# Altium PCB WunderBar_v102b _flip.PcbDoc (part 6 of 7) (continued)
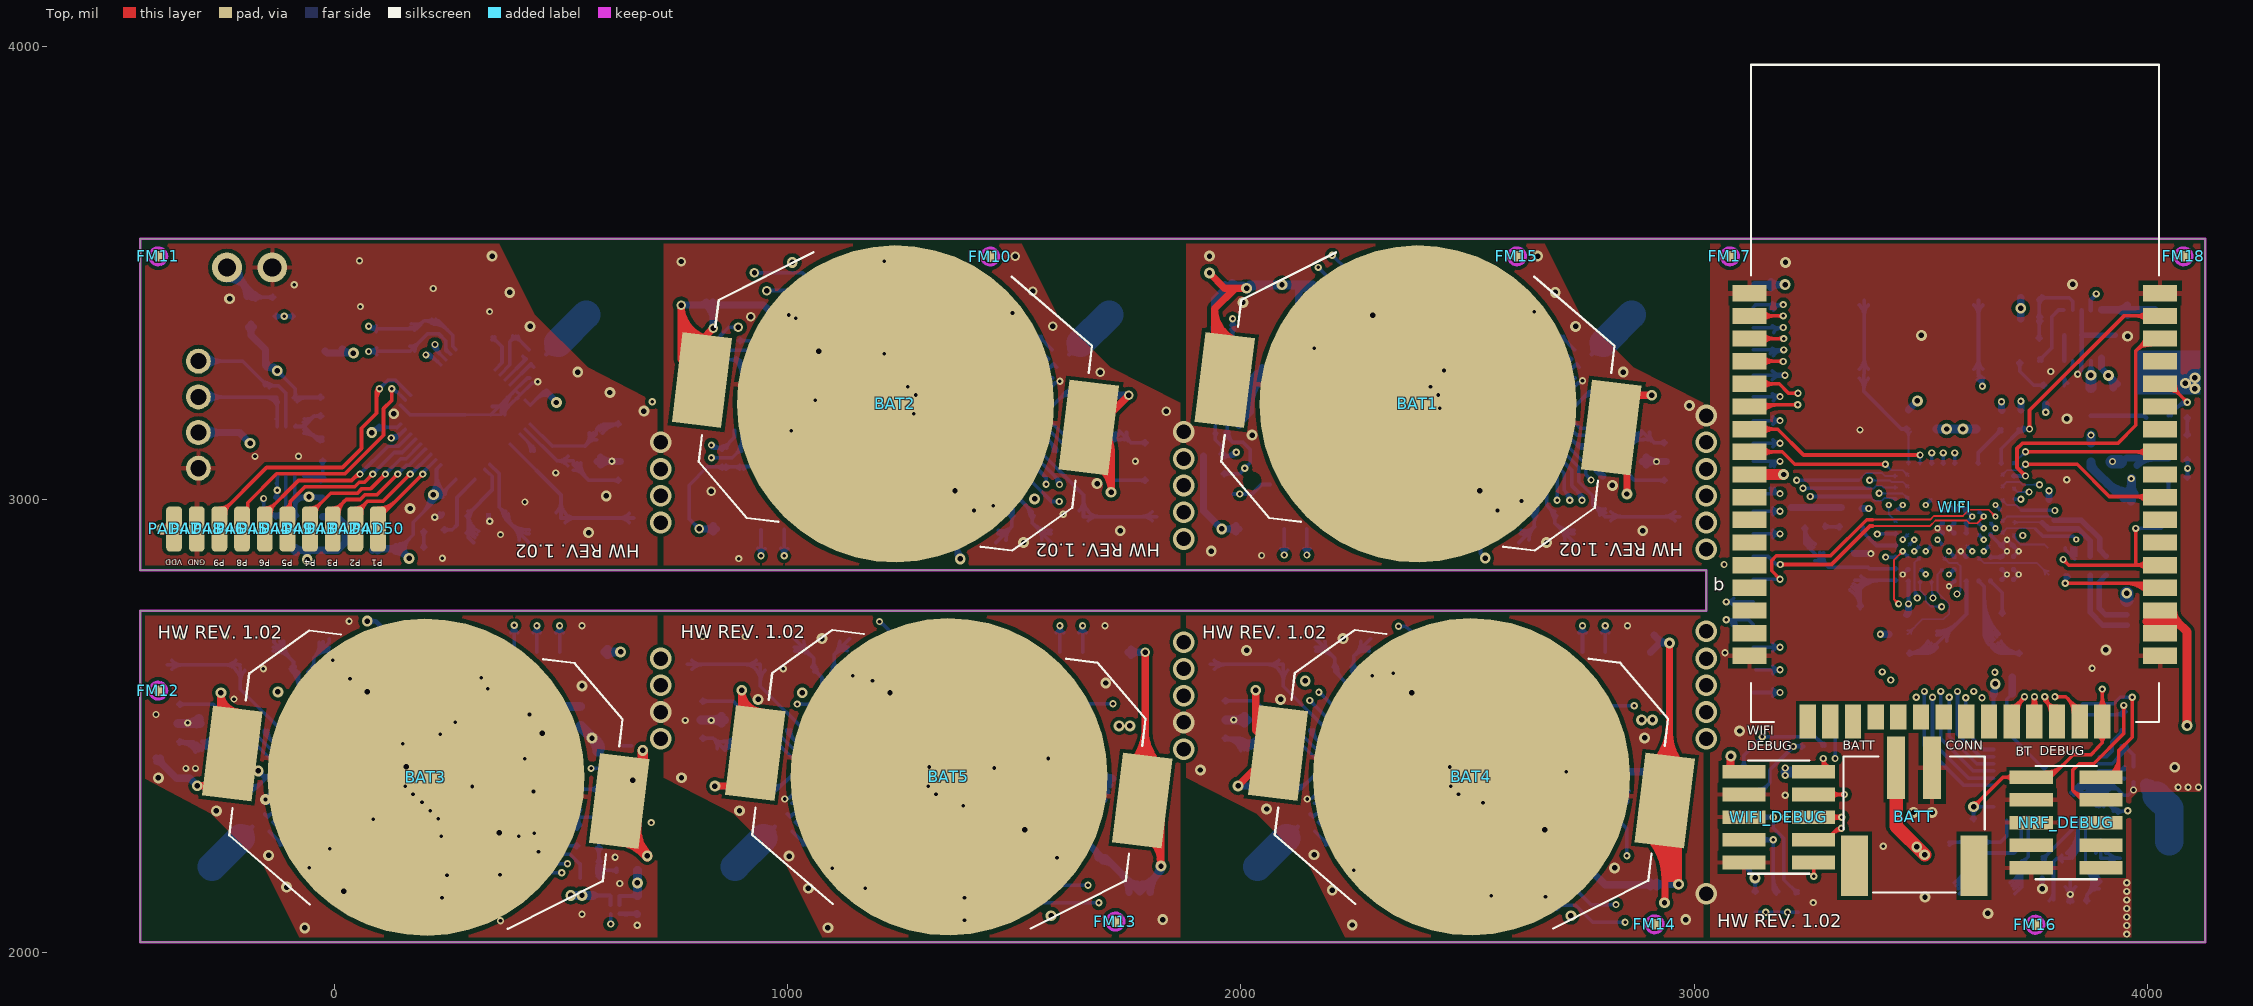
[diagram p0: Top view]
## Nets (pads, with @x,y where several pads share a name; then routed paths per layer and width w, separated by ;. In a path a pad name is that pad's centre, name@x,y a point inside that pad or via, vN(x,y) a via of type N, cw(c..) or ccw(c..) an arc to the next point about the centre after c; other vN are vias at no path point) (continued)
  Bottom w9: C111.1@570,2126.67 U5.2A@608.17,2126.67 ; C111.1@573.89,2122.78 cw(c583.28,2113.39) 583.28,2126.67 cw(c583.28,2139.95) C111.1@573.89,2130.56 ; U5.2B@609.16,2106 U5.2A@609.16,2125.68
  Bottom w10: R45.2@-90.02,2965.02 ccw(c-98.55,2973.55) -86.48,2973.55 ccw(c-74.41,2973.55) R45.2@-82.94,2965.02 ; R44.2@-90.02,2996.94 cw(c-98.55,2988.41) -86.48,2988.41 cw(c-74.41,2988.41) -82.94,2996.94 cw(c-59.92,2973.92) v2@-59.92,3006.48 ; R45.2@-86.48,2961.48 R44.2@-86.48,3000.48 ; R44.2@-81.48,3006.48 C89.1@-26.48,3006.48 ; -74.71,3002.52 cw(c-69.81,2984.22) v2@-60.08,3000.47 ; -70.96,3003.52 ccw(c-74.54,3016.91) v2@-62.54,3009.98 ; v2@-61.43,3001.53 ccw(c-73.38,2989.58) -73.38,3006.48 ccw(c-73.38,3023.38) v2@-61.43,3011.43 ; v2@-51.85,3001.23 cw(c-42.64,2990.79) -39.04,3004.24 ; v2@-51.53,3001.53 cw(c-39.58,2989.58) -39.58,3006.48 cw(c-39.58,3023.38) v2@-51.53,3011.43 ; v2@-47.41,3006.48 cw(c-47.41,2981.88) C89.1@-30.02,2999.28 ; C73.1@49.33,2576.2 114,2640.87 114,2709 91,2732 v2(72,2732) ; C73.1@49.33,2581.2 ccw(c49.33,2593.27) 57.87,2584.74 ccw(c66.4,2576.2) C73.1@54.33,2576.2 ; 69,2575.91 cw(c117.18,2575.91) 83.11,2609.98 ; v2@76.95,2727.05 cw(c88.9,2715.1) 88.9,2732 cw(c88.9,2748.9) v2@76.95,2736.95 ; 79,2575.91 cw(c151.32,2575.91) 100.18,2627.05 ; BT.36@3893,2323.48 BT.35@3893,2335
  Bottom w12: C7.1@3657.55,2574.31 ccw(c3641.06,2590.79) v2@3664.38,2590.79 ; v2@3659.64,2589.9 cw(c3651.01,2583.18) C7.1@3661.58,2580.35 ; v2@3660.14,2589.35 cw(c3649.89,2579.11) 3664.38,2579.11 cw(c3678.86,2579.11) v2@3668.62,2589.35 ; C7.1@3661.78,2581.1 cw(c3673.39,2577.99) v2@3667.38,2588.39 ; C7.1@3664.38,2571.48 v2(3664.38,2593.59)
  Bottom w16: C79.1@-393.68,2429.82 -348.95,2385.09 -319.33,2385.09 v2@-303.23,2369 ; C79.1@-392.18,2422.32 cw(c-392.18,2407.84) C79.1@-381.93,2418.08 ; C79.1@-384.68,2429.82 ccw(c-362.95,2429.82) C79.1@-378.31,2414.46 ; v2(-303.1,2368.86) v2@-303.23,2369 ; -203.36,2369 cw(c-203.36,2340.6) C71.1@-183.28,2360.68 ; C71.1@-181.1,2362.86 -187.23,2369 v2@-303.23,2369 ; DEBUG3.1@-20.48,3327.48 -16.48,3323.48 v2(41.52,3323.48) ; DEBUG3.1@17.2,3332.43 ccw(c38.8,3354.04) v2@38.8,3323.48 ; VREG2.5@83.52,2888.48 86.52,2891.48 142.52,2891.48 v2@164.02,2869.98 ; VREG2.5@94.93,2886.67 cw(c106.56,2875.04) 106.56,2891.48 ; 121.71,2891.48 cw(c121.71,2871.67) C87.1@135.72,2885.68 ; 124.12,2891.48 ccw(c124.12,2907.88) C87.1@135.72,2896.28 ; C87.1@144.02,2883.48 cw(c144.02,2867.79) C87.1@155.12,2878.88 ; C87.1@151.52,2890.98 ccw(c172.04,2890.98) C87.1@157.53,2876.47 ; C87.1@152.06,2880.65 cw(c142.83,2864.67) v2@160.66,2869.44 ; C87.1@153.35,2883.71 ccw(c170.76,2893.76) v2@165.55,2874.34 ; C87.1@153.83,2879.63 cw(c146.91,2867.64) v2@160.57,2869.84 ; C72.1@188.36,2437.71 263,2363.07 263,2272 263.5,2271.5 DEBUG6.1@301.28,2271.49 ; v2(218.12,3010.78) 225,3010.78 233.82,3010.78 C64.1@236.45,3013.41 ; 263,2302.35 ccw(c299.64,2302.35) DEBUG6.1@273.73,2276.44 ; DEBUG6.1@307.77,2265 v7(363,2265) cw(c363,2296.38) DEBUG6.1@339.11,2276.03 ; C62.1@467.52,3237.48 489.52,3215.48 v2(489.52,3214.48) ; v6(764.52,3429.48) 826.52,3429.48 827.52,3430.48 828.52,3429.48 946.52,3429.48 961.52,3415.48 1048.52,3327.48 ; 804.29,3429.48 ccw(c804.29,3452.71) C37.1@820.72,3436.28 ; v6(804.52,2935.48) PAD17.1@842.52,2935.48 ; C37.1@823.72,3425.68 cw(c795.22,3397.18) 835.52,3397.18 ; C37.1@827.52,3429.48 835.52,3421.48 v6(835.52,3378.48) ; C37.1@834.32,3436.28 ccw(c850.75,3452.71) 850.75,3429.48 ; PAD17.1@835.8,2928.76 ccw(c819.58,2912.55) 819.58,2935.48 ccw(c819.58,2958.42) PAD17.1@835.8,2942.2 ; v2(839.14,2368.1) 965.14,2368.1 C51.1@971.14,2362.1 ; 951.82,2368.1 cw(c951.82,2342.78) C51.1@969.72,2360.68 ; C38.1@1019.52,3250.48 1019.52,3298.48 1048.52,3327.48 ; 1027.85,3348.39 ccw(c1068.35,3388.43) 1068.02,3331.48 ; 1027.92,3306.88 cw(c1068,3266.79) 1068,3323.48 ; DEBUG2.1@1099.3,3322.53 ccw(c1087.35,3310.58) 1087.35,3327.48 ccw(c1087.35,3344.38) DEBUG2.1@1099.3,3332.43 ; DEBUG2.1@1131.8,3322.53 cw(c1120.4,3311.13) 1136.52,3311.13 ; DEBUG2.1@1134.52,3325.48 DEBUG2.1@1136.52,3327.48 ; DEBUG2.1@1135.52,3329.48 DEBUG2.1@1136.52,3327.48 ; 1136.52,3310.03 cw(c1154.2,3310.03) DEBUG2.1@1141.7,3322.53 ; C53.1@1203.14,2575.76 1204.88,2574.02 1217,2574.02 v7(1225.52,2574.02) R58.1@1269.95,2574.02 ; C30.1@1241.52,3166.48 1136.52,3271.48 DEBUG2.1@1136.52,3327.48 ; R55.1@1318.25,3019.77 1390.61,3019.77 C31.1@1392.19,3018.19 ; C52.1@1351.52,2430.48 1455.52,2326.48 DEBUG5.1@1455.52,2271.48 ; DEBUG5.1@1450.34,2276.43 ccw(c1437.84,2288.93) 1455.52,2288.93 ; 1455.52,2287.83 ccw(c1471.64,2287.83) DEBUG5.1@1460.24,2276.43 ; DEBUG5.1@1457.52,2270.48 DEBUG5.1@1455.52,2271.48 ; DEBUG5.1@1492.74,2266.53 cw(c1504.69,2254.58) 1504.69,2271.48 cw(c1504.69,2288.38) DEBUG5.1@1492.74,2276.43 ; 1539.71,2271.48 cw(c1539.71,2251.67) C59.1@1553.72,2265.68 ; 1542.12,2271.48 ccw(c1542.12,2287.88) C59.1@1553.72,2276.28 ; C59.1@1567.32,2265.68 cw(c1581.33,2251.67) 1581.33,2271.48 ; C59.1@1567.32,2276.28 ccw(c1578.92,2287.88) 1578.92,2271.48 ; 1606.71,2271.48 cw(c1606.71,2251.67) C60.1@1620.72,2265.68 ; 1609.12,2271.48 ccw(c1609.12,2287.88) C60.1@1620.72,2276.28 ; C29.1@1622.32,3238.28 ccw(c1641.15,3257.11) 1641.15,3230.48 ; C29.1@1627.52,3230.48 v6(1752.52,3230.48) ; C60.1@1629.02,2263.48 cw(c1629.02,2235.72) 1648.65,2255.35 ; 1677.8,2226.2 cw(c1661.58,2209.98) C61.1@1684.52,2209.98 ; C61.1@1695.02,2202.48 cw(c1695.02,2169.89) 1718.07,2192.93 ; 1735.7,2175.3 cw(c1693.87,2133.48) R27.2@1753.02,2133.48 ; PAD37.1@1750.52,2663.48 v8(1788.52,2663.48) ; 1751.39,2159.61 ccw(c1771.02,2179.24) R27.2@1771.02,2151.48 ; PAD37.1@1757.24,2656.76 cw(c1773.45,2640.55) 1773.45,2663.48 cw(c1773.45,2686.42) PAD37.1@1757.24,2670.2 ; R27.2@1782.02,2151.48 ccw(c1782.02,2179.24) 1801.65,2159.61 ; R27.2@1800.02,2133.48 cw(c1859.17,2133.48) 1817.34,2175.3 ; 1809.62,2167.58 ccw(c1785.72,2191.48) v2@1819.52,2191.48 ; v2(1823.52,2191.48) 1823.52,2181.48 1776.52,2134.48 1700.52,2210.48 1693.52,2210.48 1632.52,2271.48 DEBUG5.1@1455.52,2271.48 ; R9.2@1917.52,3096.48 R10.2@1917.52,3057.48 1917.52,2975.48 v2(1957.52,2935.48) PAD2.1@1995.52,2935.48 ; R12.2@1940.52,3380.48 1941.52,3381.48 1941.52,3442.48 1973.52,3473.48 2005.52,3473.48 v2(2012.52,3466.48) ; 1957.56,3458.02 ccw(c1941.63,3474.46) C25.1@1964.52,3474.1 ; C25.1@1980.32,3468.68 cw(c1991.92,3457.08) 1991.92,3473.48 ; C25.1@1980.32,3479.28 ccw(c1994.33,3493.29) 1994.33,3473.48 ; C25.1@1985.96,3473.48 cw(c1985.96,3439.92) v2@2009.69,3463.65 ; PAD2.1@1988.8,2928.76 ccw(c1972.58,2912.55) 1972.58,2935.48 ccw(c1972.58,2958.42) PAD2.1@1988.8,2942.2 ; v2(1993.52,2368.48) C41.1@2118.52,2368.48 ; v2@2009.52,3469.48 v2(2012.52,3466.48) ; v2@2015.52,3469.48 v2(2012.52,3466.48) ; v2@2019.52,3473.48 v2(2012.52,3466.48) ; LED6.A@2097.52,3386.48 2127.52,3416.48 2127.52,3470.48 C28.1@2130.52,3473.48 ; 2104.89,2368.48 cw(c2104.89,2341.85) C41.1@2123.72,2360.68 ; 2127.52,3452.25 cw(c2150.75,3452.25) C28.1@2134.32,3468.68 ; IC3.1@2325.52,3106.48 2325.52,3216.48 2327.52,3218.48 2327.52,3294.48 DEBUG1.1@2290.52,3331.48 ; C43.1@2357.31,2573.96 2367,2573.96 R57.1@2422.72,2573.96 ; R54.1@2499.46,3004.18 2515.23,3019.95 v7(2527,3019.95) 2546.95,3019.95 C19.1@2549.19,3017.71 ; R54.1@2500.09,3004.8 cw(c2527,2977.89) 2527,3015.95 ; C42.1@2504.52,2430.48 2609.52,2326.48 DEBUG4.1@2609.52,2271.48 ; 2529.76,3017.05 cw(c2537.21,3009.21) C19.1@2540.02,3019.66 ; 2538.95,3019.95 cw(c2538.95,3007.47) C19.1@2547.77,3016.29 ; DEBUG4.1@2604.34,2276.43 ccw(c2591.84,2288.93) 2609.52,2288.93 ; 2609.52,2287.83 ccw(c2625.64,2287.83) DEBUG4.1@2614.24,2276.43 ; DEBUG4.1@2610.52,2270.48 DEBUG4.1@2609.52,2271.48 ; DEBUG4.1@2646.74,2266.53 cw(c2658.69,2254.58) 2658.69,2271.48 cw(c2658.69,2288.38) DEBUG4.1@2646.74,2276.43 ; DEBUG4.1@2654.39,2270.33 cw(c2659.03,2253) 2668,2268.54 ; DEBUG4.1@2655.98,2272.21 ccw(c2659.13,2283.95) 2667.31,2274.96 ; R23.2@2772.34,2262.47 cw(c2769.56,2293.52) 2747.52,2271.48 ; C1.1@2776.32,3238.28 ccw(c2795.15,3257.11) 2795.15,3230.48 ; C1.1@2780.52,3230.48 v2(2906.52,3230.48) ; SENSE1.5@2853.52,2399.48 2925.52,2399.48 2926.52,2398.48 2926.52,2372.48 2965.52,2333.48 v2(2965.52,2151.48) 2911.52,2151.48 2910.52,2150.48 2803.52,2150.48 2772.52,2181.48 2772.52,2261.48 2757.52,2261.48 2747.52,2271.48 ; 2889.71,2150.48 ccw(c2889.71,2170.29) C49.1@2903.72,2156.28 ; 2892.12,2150.48 cw(c2892.12,2134.08) C49.1@2903.72,2145.68 ; PAD27.1@2903.52,2663.48 2923.52,2683.48 v2(2945.52,2683.48) cw(c2945.52,2725.07) PAD27.1@2911.33,2701.39 ; C49.1@2917.32,2145.68 cw(c2931.33,2131.67) 2931.33,2151.48 ; C49.1@2917.32,2156.28 ccw(c2928.92,2167.88) 2928.92,2151.48 ; VD33.1@3133.52,3474.48 v2(3200.52,3474.48) ; VD33.1@3169.74,3467.76 cw(c3185.95,3451.55) 3185.95,3474.48 cw(c3185.95,3497.42) VD33.1@3169.74,3481.2 ; C107.1@3370.52,2980.52 v1(3385,2980.52) ; v1(3411,2703.32) R40.2@3429.24,2703.32 ; C3.1@3469.49,2746.89 ccw(c3460.9,2755.49) 3473.05,2755.49 ; R16.2@3472.86,3198.16 v2(3492.51,3217.81) ; C3.1@3473.05,2753.48 v1@3473.05,2770 ; R2.2@3720.52,3398.48 C11.1@3720.52,3445.48 ; R11.2@3721,3197.78 v1(3721,3217) ; C108.1@3782.7,3000.52 v1@3782.7,3019.52 ; 1048.52,3327.48 DEBUG2.1@1136.52,3327.48 ; DEBUG1.1@2290.52,3331.48 cw(c2237.37,3278.33) L2.2@2312.52,3276.8 ; DEBUG1.1@2290.52,3331.48 cw(c2237.37,3278.33) L2.2@2312.52,3276.8 ; DEBUG1.1@2290.52,3331.48 cw(c2237.37,3278.33) L2.2@2312.52,3276.8 ; 2317.07,3304.93 cw(c2289.42,3277.27) L2.2@2328.52,3276.48 ; 2317.07,3304.93 cw(c2289.42,3277.27) L2.2@2328.52,3276.48 ; 2317.07,3304.93 cw(c2289.42,3277.27) L2.2@2328.52,3276.48 ; L2.2@2317.21,3257.17 cw(c2292.31,3232.27) IC3.5@2327.52,3232.27 ; L2.2@2317.21,3257.17 cw(c2292.31,3232.27) IC3.5@2327.52,3232.27 ; L2.2@2317.21,3257.17 cw(c2292.31,3232.27) IC3.5@2327.52,3232.27 ; IC3.5@2327.52,3227.44 cw(c2369.56,3227.44) L2.2@2339.83,3257.17 ; IC3.5@2327.52,3227.44 cw(c2369.56,3227.44) L2.2@2339.83,3257.17 ; IC3.5@2327.52,3227.44 cw(c2369.56,3227.44) L2.2@2339.83,3257.17 ; L2.2@2328.52,3276.48 cw(c2352.36,3319.05) 2304.99,3307.38 ccw(c2352.36,3319.05) L2.2@2328.52,3276.48 ; DEBUG4.1@2609.52,2271.48 2747.52,2271.48
  Bottom w20: C73.1@49.62,2575.91 v7(72,2575.91) ; v2(521,2127) v2(546,2127) C111.1@570,2127 ; PAD52.1@596.5,2663.48 630.62,2663.48 v2(631.14,2664) ; PAD52.1@601.81,2658.18 cw(c614.61,2645.37) 614.61,2663.48 cw(c614.61,2681.59) PAD52.1@601.81,2668.78 ; v2@2013.93,3465.07 cw(c2034.25,3444.75) 2034.25,3473.48 ; v2@2019.52,3473.48 2130.52,3473.48 2157.52,3473.48 2217.52,3413.48 2217.52,3338.48 2225.52,3331.48 DEBUG1.1@2318.52,3331.48 ; C28.1@2132.02,3468.48 cw(c2132.02,3394.85) 2184.09,3446.91 ; C4.1@3536.24,3155.62 C109.1@3578.89,3155.62 ; C109.1@3579.54,3155.62 C110.1@3621.62,3155.62
  Bottom w24: 3203,2399.48 LPC_DEBUG.1@3263.29,2399.48
  other v1: 3956.52,2313.48 3201,2391.52 3201,2408 3473,2770 3783,3019.52
  other v2: -125,2576 164.52,2870.48 -56.48,3006.48 3557,3156 3593,3156 4105,3245 4084,3257 4105,3269 3720.52,3422.48 2090.54,3474.34
  other v4: 719.52,2472.48 719.52,3067.48 1873.52,3090.48 3026.52,3126.48
VD33_BUFFERED: C26.1 R6.2 SENSE3.1 | length 151.5
  Bottom w8: SENSE3.1@1940.69,3243.8 ccw(c1933.86,3250.63) 1943.52,3250.63 ccw(c1953.18,3250.63) SENSE3.1@1946.35,3243.8 ; SENSE3.1@1943.52,3226.48 1943.52,3278.48 R6.2@1959.52,3294.48 ; R6.2@1953.52,3294.48 cw(c1939.03,3294.48) 1949.28,3284.24 cw(c1959.52,3273.99) R6.2@1959.52,3288.48
  Bottom w16: C26.1@1920.52,3294.48 R6.2@1959.52,3294.48
VDOUT: C80.2 C85.2 C113.2 R60.1 R63.1 R68.1 U2.1 U3.7 U4.6 U5.1A U5.1B | length 1304.8
  Route2 w16: v5(440.74,2263.99) 462.75,2286 658,2286
  Route2 w24: 486.12,2473 cw(c486.12,2511.91) v7(458.6,2484.4) 470,2473 v7@566,2473 ; v7@566.5,2472.5 v7(658,2381) 658,2286 658,2164.5 v2(668,2154.5) cw(c692.14,2178.64) 658,2178.64
  Bottom w8: U2.1@538.7,2495.08 U2.1@543.23,2499.61 ; C80.2@666.68,2125.68 C80.2@668,2127
  Bottom w9: U5.1B@628.84,2106 U5.1A@628.84,2125.68 C80.2@666.68,2125.68 ; 651.55,2125.69 ccw(c651.55,2143.45) C80.2@664.11,2130.89 ; 657.9,2125.68 cw(c657.9,2116.9) C80.2@664.11,2123.11
  Bottom w16: U3.7@385.4,2538.32 385.4,2513.6 396.97,2502.03 C85.2@458.6,2502.03 ; U3.7@385.65,2526.57 ccw(c417.59,2526.57) 395.01,2503.99 ; 406.37,2502.03 cw(c406.37,2432.16) 455.78,2481.57
  Bottom w20: v7(458.6,2484.4) C85.2@458.6,2502.03 ; C113.2@636.04,2414.96 658,2393 v7(658,2381) ; C80.2@668,2127 v2(668,2154.5) R63.1@668,2182
  Bottom w24: U2.1@543.23,2499.61 580.7,2462.14 ; 573.88,2468.96 cw(c552.59,2447.67) R60.1@582.7,2447.67 ; R60.1@580.7,2444.77 ccw(c540.71,2444.77) v7(568,2474) cw(c562.47,2456.63) R60.1@580.7,2456.63 ; R60.1@580.7,2447.67 580.7,2462.14 ; R60.1@582.38,2446.59 ccw(c571.88,2453.32) 580.7,2462.14
VEXT: C86.1 D2.K P1.2 R46.2 R47.2 R48.2 VREG2.1 VREG2.3 | length 1508.3
  Route15 w15.98: -160.92,2867.77 v2(-60.33,2867.77)
  Route15 w16: -160.92,2867.77 -217.44,2924.29 -217.44,3094.04 -163,3148.48 -163.66,3246.8 v2(-126.48,3284.48)
  Bottom w8: v2@-126.48,3276.48 cw(c-126.48,3257.17) -112.82,3270.82 cw(c-99.17,3284.48) v2@-118.48,3284.48 ; v2(-126.48,3284.48) -86.48,3244.48 R47.2@-86.48,3220.48 -81.48,3225.48 R48.2@-26.48,3225.48 ; R47.2@-90.72,3224.72 ccw(c-100.97,3234.97) -86.48,3234.97 ccw(c-71.99,3234.97) R47.2@-82.24,3224.72 ; R47.2@-82.24,3216.24 cw(c-59.92,3193.92) -59.92,3225.48 ; -43.38,3225.48 ccw(c-43.38,3243.38) R48.2@-30.72,3230.72 ; -38.55,3225.48 cw(c-38.55,3214.41) R48.2@-30.72,3222.24
  Bottom w10: -60.33,2887.31 -59.48,2888.16
  Bottom w15.98: v2(-60.33,2867.77) -60.33,2887.31
  Bottom w16: P1.2@-300.58,3148.48 -210.52,3148.48 v2(-186.52,3124.48) ; P1.2@-286.75,3134.28 cw(c-252.47,3100) -252.47,3148.48 ; P1.2@-286.75,3161.94 ccw(c-254.25,3194.44) -254.25,3148.48 ; D2.K@-189.78,3381.18 cw(c-202.59,3368.37) -184.48,3368.37 cw(c-166.37,3368.37) D2.K@-179.18,3381.18 ; D2.K@-184.48,3387.48 -184.48,3362.48 -152.48,3331.48 -152.48,3296.48 R46.2@-148.48,3292.48 ; -152.48,3307.97 ccw(c-133.99,3307.97) R46.2@-147.07,3294.89 ; R46.2@-148.16,3291.51 cw(c-144.2,3266.76) v2(-126.48,3284.48) -134.48,3292.48 R46.2@-148.48,3292.48 ; v2@-129.84,3282.31 ccw(c-148.48,3270.32) R46.2@-148.48,3292.48 ; C86.1@-90.48,2888.16 -59.48,2888.16 VREG2.1@-28.48,2888.16 ; C86.1@-85.68,2883.68 cw(c-74.86,2872.86) -74.86,2888.16 ; C86.1@-85.68,2894.28 ccw(c-70.89,2909.07) -70.89,2888.16 ; VREG2.1@-26.48,2888.48 6.52,2888.48 23.52,2905.48 23.52,2943.48 4.52,2962.48 VREG2.3@-26.48,2962.48
VPOWER: D2.A P2.2 R49.2 | length 347.8
  Bottom w8: D2.A@-174.85,3439.85 cw(c-158.84,3423.84) -158.84,3446.48 ; D2.A@-174.85,3456.11 ccw(c-151.6,3479.37) -151.6,3446.48 ; D2.A@-174.48,3446.48 R49.2@-132.48,3446.48 ; R49.2@-136.72,3442.24 ccw(c-146.97,3431.99) -146.97,3446.48 ccw(c-146.97,3460.97) R49.2@-136.72,3450.72
  Bottom w16: P2.2@-237.71,3487.48 cw(c-238.28,3427.13) -195.2,3469.41 cw(c-152.13,3511.68) P2.2@-212.48,3512.25 ; P2.2@-237.48,3512.48 D2.A@-184.48,3458.48 ; -206.9,3481.32 cw(c-240.35,3448.49) D2.A@-193.48,3448.05 ; D2.A@-176.48,3450.48 D2.A@-184.48,3458.48 ; D2.A@-174.48,3446.48 -182.48,3446.48 -184.48,3448.48 D2.A@-184.48,3458.48
WIFI_!RESET: R11.1 U1.A2 WIFI.47 | length 703.7
  Top w8: v1@3737.17,3158.83 ccw(c3730.34,3165.66) 3740,3165.66 ccw(c3749.66,3165.66) v1@3742.83,3158.83 ; v1(3740,3156) 3740,3197 3948.48,3405.48 4028.52,3405.48 WIFI.47@4015.52,3417.48 ; WIFI.47@3998.62,3395.58 ccw(c3974.72,3371.68) 3974.72,3405.48 ccw(c3974.72,3439.28) WIFI.47@3998.62,3415.38
  Bottom w8: U1.A2@3675.47,3080.05 ccw(c3670.35,3085.17) 3677.59,3085.17 ccw(c3684.83,3085.17) U1.A2@3679.71,3080.05 ; U1.A2@3677.59,3077.92 3677.59,3112.1 R11.1@3721.3,3155.81 3739.81,3155.81 v1(3740,3156) ; R11.1@3715.3,3155.81 cw(c3700.82,3155.81) 3711.06,3145.57 cw(c3721.3,3135.33) R11.1@3721.3,3149.81 ; R11.1@3725.54,3151.57 cw(c3735.79,3141.33) 3735.79,3155.81 cw(c3735.79,3170.3) R11.1@3725.54,3160.05 ; R11.1@3729.89,3155.81 ccw(c3729.89,3166.11) v1@3737.17,3158.83 ; R11.1@3730.06,3154.28 cw(c3732.32,3145.84) v1@3737.59,3152.81 ; R11.1@3730.67,3157.18 ccw(c3732.45,3163.81) v1@3737.22,3158.88 ; R11.1@3730.8,3155.81 cw(c3730.8,3146.8) v1@3737.17,3153.17
WIFI_ALARM1: U1.A9 WIFI.7 | length 529.1
  Top w8: WIFI.7@3123.52,3155.48 3184.52,3155.48 3241.45,3098.55 v1(3498.45,3098.55) ; WIFI.7@3151.92,3145.58 cw(c3175.82,3121.68) 3175.82,3155.48 cw(c3175.82,3189.28) WIFI.7@3151.92,3165.38 ; v1@3495.63,3095.72 ccw(c3488.8,3088.89) 3488.8,3098.55 ccw(c3488.8,3108.2) v1@3495.63,3101.37
  Bottom w4: v1@3494.21,3094.3 cw(c3483.97,3084.06) 3498.45,3084.06 cw(c3512.94,3084.06) v1@3502.7,3094.3 ; U1.A9@3494.92,3081.45 ccw(c3486.38,3089.99) 3498.45,3089.99 ccw(c3510.53,3089.99) U1.A9@3501.99,3081.45 ; U1.A9@3498.45,3077.92 v1(3498.45,3098.55)
WIFI_INTF_SEL: R52.1 WIFI.35 | length 411.8
  Top w8: v1(3818.89,2815.85) 3998.14,2815.85 4008.51,2805.48 WIFI.35@4028.02,2805.48 ; v1@3821.72,2813.02 cw(c3828.55,2806.19) 3828.55,2815.85 cw(c3828.55,2825.51) v1@3821.72,2818.68 ; 3949.69,2815.85 cw(c3949.69,2746.65) WIFI.35@3998.62,2795.58 ; 3969,2815.85 cw(c3969,2765.96) WIFI.35@4004.28,2801.24 ; 3988.31,2815.85 cw(c3988.31,2785.27) WIFI.35@4009.93,2806.89 ; WIFI.35@4018.52,2815.48 WIFI.35@4028.52,2805.48
  Bottom w8: v1@3816.06,2818.68 ccw(c3809.23,2825.51) 3818.89,2825.51 ccw(c3828.55,2825.51) v1@3821.72,2818.68 ; v1@3818.89,2815.19 cw(c3835.3,2815.19) R52.1@3826.94,2829.32 ; v1(3818.89,2815.85) R52.1@3818.89,2834.48 ; R52.1@3823.89,2834.48 R52.1@3824.37,2834
WIFI_INTF_SEL2: R52.2 U1.J4 | length 221.1
  Bottom w4: U1.J4@3626.43,2868.24 cw(c3626.43,2856.17) 3634.97,2864.71 cw(c3643.5,2873.24) U1.J4@3631.43,2873.24 ; U1.J4@3626.43,2873.24 3639.24,2860.44 3756.26,2860.44 R52.2@3782.22,2834.48 ; R52.2@3774.22,2834.48 ccw(c3754.91,2834.48) 3768.56,2848.14 ccw(c3782.22,2861.79) R52.2@3782.22,2842.48
WIFI_JTAG_!NTRST: WIFI.6 WIFI_DEBUG.10 | length 1354.7
  Top w8: WIFI.6@3123.52,3205.48 3127.52,3209.48 v1(3228.52,3209.48) ; WIFI.6@3146.26,3201.24 cw(c3166.16,3181.34) 3166.16,3209.48 cw(c3166.16,3229.62) WIFI.6@3151.92,3215.38 ; WIFI.6@3151.92,3195.58 cw(c3185.48,3162.02) 3185.48,3209.48 ; v1@3225.69,3206.65 ccw(c3218.86,3199.82) 3218.86,3209.48 ccw(c3218.86,3219.14) v1@3225.69,3212.31 ; v1@3261.17,2171.83 ccw(c3254.34,2178.66) 3264,2178.66 ccw(c3273.66,2178.66) v1@3266.83,2171.83 ; v1(3264,2169) WIFI_DEBUG.10@3264,2199.48
  Route2 w8: v1@3225.69,3206.65 cw(c3218.86,3199.82) 3228.52,3199.82 cw(c3238.18,3199.82) v1@3231.35,3206.65 ; v1(3228.52,3209.48) 3228.52,3070.48 3280,3019 3280,2449.34 3267.09,2436.43 3267.09,2416.58 3283.09,2400.58 3283.09,2188.09 v1(3264,2169) ; v1@3264,2173 ccw(c3264,2182.66) 3270.83,2175.83 ccw(c3277.66,2169) v1@3268,2169
WIFI_JTAG_TCK: WIFI.2 WIFI_DEBUG.4 | length 1433
  Top w8: WIFI.2@3123.52,3405.48 v1(3196.52,3405.48) ; WIFI.2@3151.92,3395.58 cw(c3175.82,3371.68) 3175.82,3405.48 cw(c3175.82,3439.28) WIFI.2@3151.92,3415.38 ; v1@3193.69,3402.65 ccw(c3186.86,3395.82) 3186.86,3405.48 ccw(c3186.86,3415.14) v1@3193.69,3408.31 ; WIFI_DEBUG.4@3262.52,2349.48 v1(3331.52,2349.48) ; WIFI_DEBUG.4@3303.8,2341.7 cw(c3322.58,2322.92) 3322.58,2349.48 cw(c3322.58,2376.04) WIFI_DEBUG.4@3303.8,2357.26 ; v1@3328.69,2346.65 ccw(c3321.86,2339.82) 3321.86,2349.48 ccw(c3321.86,2359.14) v1@3328.69,2352.31
  Route2 w8: v1@3196.52,3401.48 cw(c3196.52,3391.82) 3203.35,3398.65 cw(c3210.18,3405.48) v1@3200.52,3405.48 ; v1(3196.52,3405.48) 3310,3292 3310,3069 3350,3029 3350,2467.19 3360,2457.19 3360,2377.96 v1(3331.52,2349.48) ; v1@3331.52,2353.48 ccw(c3331.52,2363.14) 3338.35,2356.31 ccw(c3345.18,2349.48) v1@3335.52,2349.48
WIFI_JTAG_TDI: WIFI.4 WIFI_DEBUG.8 | length 1395.4
  Top w8: WIFI.4@3123.52,3305.48 v1@3196.52,3305.48 ; WIFI.4@3151.92,3295.58 cw(c3175.82,3271.68) 3175.82,3305.48 cw(c3175.82,3339.28) WIFI.4@3151.92,3315.38 ; 3185.7,3305.48 cw(c3185.7,3294.18) v1@3193.69,3302.17 ; 3188.02,3305.48 ccw(c3188.02,3313.5) v1@3193.69,3307.83 ; WIFI_DEBUG.8@3262.52,2249.48 3291.48,2249.48 3315,2273 ; WIFI_DEBUG.8@3304.51,2262.51 cw(c3325,2242.03) v1@3325,2271 ; v1@3321.47,2276.88 cw(c3315,2280.33) 3315,2273 ; v1@3326,2273 3315,2273
  Route2 w8: v1@3196.52,3301 cw(c3196.52,3291.34) 3203.35,3298.17 cw(c3210.18,3305) v1@3200.52,3305 ; v1(3196.52,3305) 3267,3234.52 3267,3072.67 3314,3025.67 3314,2453.63 3330,2437.63 3330,2402 3297,2369 3297,2287 3309,2275 v1(3325,2275) ; v1@3322.17,2272.17 ccw(c3315.34,2265.34) 3315.34,2275 ccw(c3315.34,2284.66) v1@3322.17,2277.83
WIFI_JTAG_TDO: WIFI.3 WIFI_DEBUG.6 | length 1443.4
  Top w8: WIFI.3@3123.52,3355.48 v1(3197.52,3355.48) ; WIFI.3@3151.92,3345.58 cw(c3175.82,3321.68) 3175.82,3355.48 cw(c3175.82,3389.28) WIFI.3@3151.92,3365.38 ; v1@3194.69,3352.65 ccw(c3187.86,3345.82) 3187.86,3355.48 ccw(c3187.86,3365.14) v1@3194.69,3358.31 ; WIFI_DEBUG.6@3262.52,2299.48 v1(3325.52,2299.48) ; WIFI_DEBUG.6@3303.8,2291.7 cw(c3322.58,2272.92) 3322.58,2299.48 cw(c3322.58,2326.04) WIFI_DEBUG.6@3303.8,2307.26 ; 3314.22,2297.24 cw(c3317.39,2285.4) v1@3323.52,2296.02 ; 3314.22,2301.72 ccw(c3317.39,2313.56) v1@3323.52,2302.94 ; v1@3322.69,2296.65 ccw(c3315.86,2289.82) 3315.86,2299.48 ccw(c3315.86,2309.14) v1@3322.69,2302.31
  Route2 w8: v1@3197.52,3351.48 cw(c3197.52,3339.41) 3206.06,3347.94 ; v1@3198.02,3355.98 3216,3338 3216,3312 3288,3240 3288,3071.33 3331,3028.33 3331,2460.94 3345,2446.94 3345,2389 3311.11,2355.11 3311.11,2313.89 v1(3325.52,2299.48) ; v1@3321.52,2299.48 ccw(c3311.86,2299.48) 3318.69,2306.31 ccw(c3325.52,2313.14) v1@3325.52,2303.48
WIFI_JTAG_TMS: WIFI.5 WIFI_DEBUG.2 | length 1173.7
  Top w8: WIFI.5@3123.52,3255.48 3187.52,3255.48 3208,3235 v1(3229,3235) ; WIFI.5@3151.92,3245.58 cw(c3175.82,3221.68) 3175.82,3255.48 cw(c3175.82,3289.28) WIFI.5@3151.92,3265.38 ; v1@3226.17,3232.17 ccw(c3219.34,3225.34) 3219.34,3235 ccw(c3219.34,3244.66) v1@3226.17,3237.83 ; WIFI_DEBUG.2@3262.52,2399.48 3274.48,2399.48 3285,2410 v1(3285,2429) ccw(c3304.8,2429) WIFI_DEBUG.2@3299.15,2410.02 ; v1@3282.17,2426.17 cw(c3275.34,2419.34) 3285,2419.34 cw(c3294.66,2419.34) v1@3287.83,2426.17 ; v1@3283,2425.54 cw(c3278.17,2417.17) 3287.5,2419.67 cw(c3296.83,2422.17) v1@3288.46,2427 ; 3285,2418.27 ccw(c3301.61,2418.27) WIFI_DEBUG.2@3296.87,2402.36
  Route2 w8: v1@3229,3231 cw(c3229,3221.34) 3235.83,3228.17 cw(c3242.66,3235) v1@3233,3235 ; v1(3229,3235) 3247,3217 3247,3073 3296,3024 3296,2440 v1(3285,2429) ; v1@3285,2433 ccw(c3285,2442.66) 3291.83,2435.83 ccw(c3298.66,2429) v1@3289,2429
WIFI_LED1A: LED4.A WIFI.44 | length 279.4
  Top w8: WIFI.44@4028.02,3255.48 4047.53,3255.48 v1(4088.01,3215) ; WIFI.44@4047.52,3241.48 cw(c4047.52,3207.66) 4071.43,3231.57 ; WIFI.44@4061.52,3255.48 ccw(c4095.3,3255.48) 4071.41,3231.6 ; v1@4084.01,3215 ccw(c4074.35,3215) 4081.18,3221.83 ccw(c4088.01,3228.66) v1@4088.01,3219
  Bottom w8: LED4.A@4046.69,3184.93 4076.75,3215 v1(4088.01,3215) ; LED4.A@4046.69,3190.93 ccw(c4046.69,3205.42) 4056.93,3195.17 ccw(c4067.17,3184.93) LED4.A@4052.68,3184.93 ; 4061.97,3200.21 cw(c4088.01,3174.17) v1@4088.01,3211 ; 4075.62,3213.87 cw(c4088.01,3201.49) v1@4088.01,3219 ; v1@4085.18,3212.17 ccw(c4078.35,3205.34) 4078.35,3215 ccw(c4078.35,3224.66) v1@4085.18,3217.83
WIFI_LED1K: LED4.K R13.2 | length 91.9
  Bottom w8: R13.2@4084.11,3142.76 ccw(c4073.87,3153.01) 4088.35,3153.01 ccw(c4102.84,3153.01) R13.2@4092.6,3142.76 ; LED4.K@4084.11,3180.69 cw(c4073.87,3170.45) 4088.35,3170.45 cw(c4102.84,3170.45) LED4.K@4092.6,3180.69 ; R13.2@4088.35,3138.52 LED4.K@4088.35,3184.93
WIFI_PGM: R8.2 U1.F3 WIFI.36 | length 939.7
  Top w8: v1(3814,2868) 3826.52,2855.48 WIFI.36@4028.02,2855.48 WIFI.36@4028.52,2855.48 ; v1@3971.56,2933.78 cw(c3964.73,2926.95) 3974.39,2926.95 cw(c3984.05,2926.95) v1@3977.22,2933.78 ; 3974.39,2855.48 v1(3974.39,2936.61) ; WIFI.36@3998.62,2845.58 ccw(c3974.72,2821.68) 3974.72,2855.48 ccw(c3974.72,2889.28) WIFI.36@3998.62,2865.38 ; 3820.83,2861.17 ccw(c3814,2854.34) 3814,2864 cw(c3814,2854.34) 3820.83,2861.17 ; 3820.83,2861.17 cw(c3827.66,2868) 3818,2868 ccw(c3827.66,2868) 3820.83,2861.17
  Route15 w4: v3@3661.25,2933.7 cw(c3652.71,2925.17) 3664.78,2925.17 cw(c3676.86,2925.17) v3@3668.32,2933.7 ; v3(3664.78,2937.24) 3664.78,2890.22 3687,2868 v1(3814,2868) ; v1@3809.76,2863.76 ccw(c3799.51,2853.51) 3799.51,2868 ccw(c3799.51,2882.49) v1@3809.76,2872.24
  Bottom w4: U1.F3@3652.01,2945.01 cw(c3652.01,2932.94) 3660.55,2941.47 cw(c3669.09,2950.01) U1.F3@3657.01,2950.01 ; U1.F3@3652.01,2950.01 v3@3665.02,2937 ; 3656.92,2944.34 cw(c3654.45,2935.12) v3@3663.81,2937.04 ; 3657.64,2942.27 ccw(c3663.66,2944.61) v3@3664.63,2938.23 ; 3657.68,2945.1 ccw(c3666.9,2947.57) v3@3664.99,2938.22 ; 3659.75,2944.38 cw(c3657.41,2938.36) v3@3663.8,2937.39 ; U1.F3@3656.25,2945.77 ccw(c3664.78,2954.31) 3664.78,2942.24 cw(c3664.78,2954.31) U1.F3@3656.25,2945.77 ; U1.F3@3656.25,2945.77 cw(c3647.71,2937.24) 3659.78,2937.24 ccw(c3647.71,2937.24) U1.F3@3656.25,2945.77 ; U1.F3@3654.36,2945.04 cw(c3648.85,2935.49) 3659.81,2936.69 ccw(c3648.85,2935.49) U1.F3@3654.36,2945.04 ; U1.F3@3656.98,2947.66 ccw(c3666.53,2953.18) 3665.33,2942.21 cw(c3666.53,2953.18) U1.F3@3656.98,2947.66 ; 3658.35,2942.74 ccw(c3661.74,2948.62) 3663.49,2942.07 cw(c3661.74,2948.62) 3658.35,2942.74 ; 3659.28,2943.67 cw(c3653.41,2940.29) 3659.96,2938.53 ccw(c3653.41,2940.29) 3659.28,2943.67
  Bottom w8: v1(3974.39,2936.61) 4029.65,2936.61 R8.2@4046.23,2953.13 R8.2@4046.23,2953.13 ; v1@3977.22,2933.78 cw(c3984.05,2926.95) 3984.05,2936.61 cw(c3984.05,2946.27) v1@3977.22,2939.44 ; 4035.88,2942.84 cw(c4046.23,2932.49) R8.2@4046.23,2947.13 ; 4036.03,2942.99 ccw(c4025.89,2953.13) R8.2@4040.23,2953.13
WIFI_RTC_OUT: U1.B10 WIFI.8 | length 481.3
  Top w8: WIFI.8@3123.52,3105.48 3194.52,3105.48 3222,3078 v1(3422,3078) ; WIFI.8@3151.92,3095.58 cw(c3175.82,3071.68) 3175.82,3105.48 cw(c3175.82,3139.28) WIFI.8@3151.92,3115.38 ; v1@3419.17,3075.17 ccw(c3412.34,3068.34) 3412.34,3078 ccw(c3412.34,3087.66) v1@3419.17,3080.83
  Bottom w4: v1@3422,3072 cw(c3422,3057.51) 3432.24,3067.76 cw(c3442.49,3078) v1@3428,3078 ; v1(3422,3078) 3435,3065 3460.2,3065 U1.B10@3472.86,3052.34 ; U1.B10@3467.86,3052.34 ccw(c3455.78,3052.34) 3464.32,3060.88 ccw(c3472.86,3069.41) U1.B10@3472.86,3057.34